# Altium PCB ADAPTONE_PCB_COPY.PcbDoc (part 7 of 11)
Units mil, origin at the board's own origin, x right, y up, seen from the top; angles counter-clockwise.
Board outline 10236.22 x 6701.71 mil, 4 copper layers (Top Layer, GND, Internal Plane 2, Bottom Layer), stack 30.2 mil thick; 1794 components, 935 nets, 4745 pads, 575 vias.
Unrouted connection lines stored in the file: 997.
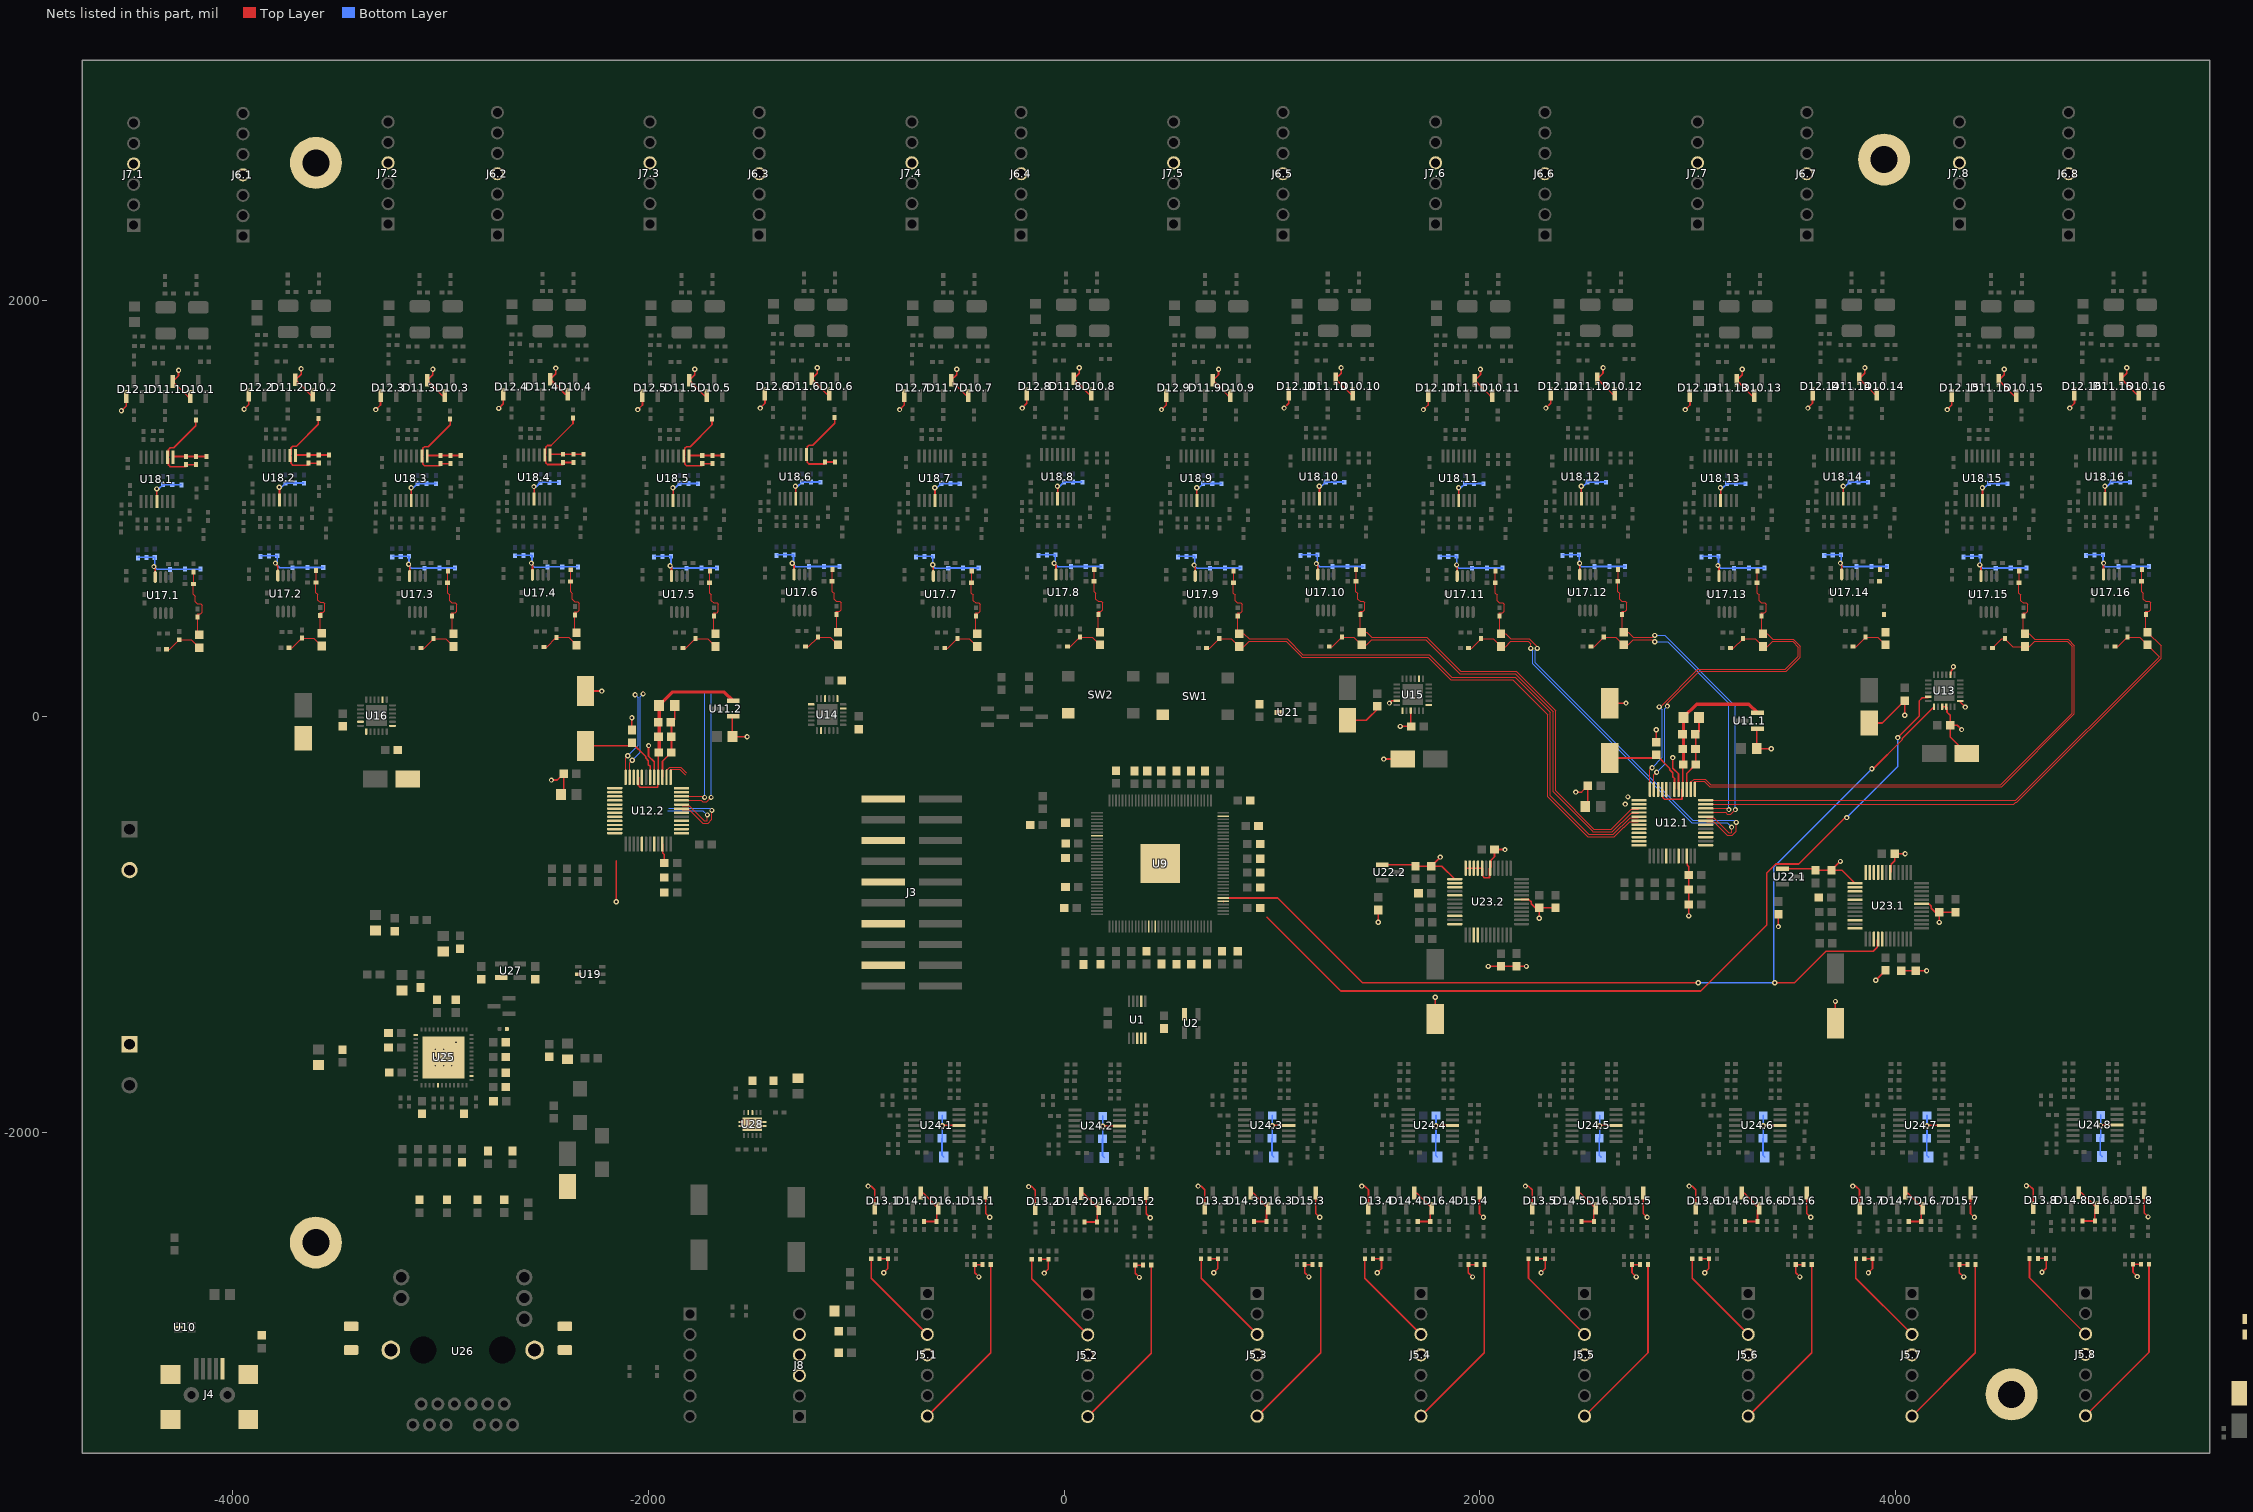
[diagram p9: the nets of this part, all layers, seen from the top]

## Via types
v1: diameter 25, hole 12, Top Layer to Bottom Layer, 566 vias
v2: diameter 19.68, hole 7.87, Top Layer to Bottom Layer, 9 vias

## Nets (pads, with @x,y where several pads share a name; then routed paths per layer and width w, separated by ;. In a path a pad name is that pad's centre, name@x,y a point inside that pad or via, vN(x,y) a via of type N, cw(c..) or ccw(c..) an arc to the next point about the centre after c; other vN are vias at no path point) (continued)
GND: C1.2 C2.2 C3.1 C5.- C6.- C7.- C8.- C9.- C11.2 C12.2 C13.1 C14.2 C15.- C16.2 C17.2 C18.- C20.2 C21.2 C22.1 C25.2 C26.2 C27.1 C28.2 C29.2 C30.1.2 C30.2.2 C31.1.2 C31.2.2 C32.1.2 C32.2.2 C33.1.2 C33.2.2 C34.1.2 C34.2.2 C35.1.- C35.2.- C36.1.2 C36.2.2 C37.1.2 C37.2.2 C38.1.2 C38.2.2 C39.1.2 C39.2.2 C40.1.2 C40.2.2 C41.1.2 C41.2.2 C42.- C43.- C44.- C45.- C46.2 C47.2 C48.2 C49.2 C50.- C51.- C52.- C53.- C54.2 C55.2 C56.2 C57.2 C59.1.2 C59.2.2 C59.3.2 C59.4.2 C59.5.2 C59.6.2 C59.7.2 C59.8.2 C59.9.2 C59.10.2 C59.11.2 C59.12.2 C59.13.2 C59.14.2 C59.15.2 C59.16.2 C60.1.2 C60.2.2 C60.3.2 C60.4.2 C60.5.2 C60.6.2 C60.7.2 C60.8.2 C60.9.2 C60.10.2 C60.11.2 C60.12.2 C60.13.2 C60.14.2 C60.15.2 C60.16.2 C61.1.2 C61.2.2 C61.3.2 C61.4.2 C61.5.2 C61.6.2 C61.7.2 C61.8.2 C61.9.2 C61.10.2 C61.11.2 C61.12.2 C61.13.2 C61.14.2 C61.15.2 C61.16.2 C68.1.2 C68.2.2 C68.3.2 C68.4.2 C68.5.2 C68.6.2 C68.7.2 C68.8.2 C68.9.2 C68.10.2 C68.11.2 C68.12.2 C68.13.2 C68.14.2 C68.15.2 C68.16.2 C69.1.2 C69.2.2 C69.3.2 C69.4.2 C69.5.2 C69.6.2 C69.7.2 C69.8.2 C69.9.2 C69.10.2 C69.11.2 C69.12.2 C69.13.2 C69.14.2 C69.15.2 C69.16.2 C70.1.2 C70.2.2 C70.3.2 C70.4.2 C70.5.2 C70.6.2 C70.7.2 C70.8.2 C70.9.2 C70.10.2 C70.11.2 C70.12.2 C70.13.2 C70.14.2 C70.15.2 C70.16.2 C76.1.2 C76.2.2 C76.3.2 C76.4.2 C76.5.2 C76.6.2 C76.7.2 C76.8.2 C76.9.2 C76.10.2 C76.11.2 C76.12.2 C76.13.2 C76.14.2 C76.15.2 C76.16.2 C77.1.2 C77.2.2 C77.3.2 C77.4.2 C77.5.2 C77.6.2 C77.7.2 C77.8.2 C77.9.2 C77.10.2 C77.11.2 C77.12.2 C77.13.2 C77.14.2 C77.15.2 C77.16.2 C78.1.2 C78.2.2 C78.3.2 C78.4.2 C78.5.2 C78.6.2 C78.7.2 C78.8.2 C78.9.2 C78.10.2 C78.11.2 C78.12.2 C78.13.2 C78.14.2 C78.15.2 C78.16.2 C85.1 C87.2 C88.2 C89.2 C90.- C91.- C93.- C94.- C95.2 C96.2 C97.2 C98.2 C99.2 C100.2 C101.2 C102.2 C103.2 C104.2 C105.2 C106.2 C107.2 C108.2 C109.2 C110.2 C111.2 C112.2 C113.2 C114.2 C115.2 C116.2 C117.2 C118.2 C119.2 C120.2 C121.1.2 C121.2.2 C122.1.2 C122.2.2 C123.1.2 C123.2.2 C124.1.2 C124.2.2 C125.1.2 C125.2.2 C126.1.- C126.2.- C127.1.2 C127.2.2 C128.1.2 C128.2.2 C129.1.2 C129.2.2 C130.1.2 C130.2.2 C131.1.2 C131.2.2 C134.1.2 C134.2.2 C134.3.2 C134.4.2 C134.5.2 C134.6.2 C134.7.2 C134.8.2 C135.1.2 C135.2.2 C135.3.2 C135.4.2 C135.5.2 C135.6.2 C135.7.2 C135.8.2 C136.1.1 C136.2.1 C136.3.1 C136.4.1 C136.5.1 C136.6.1 C136.7.1 C136.8.1 C149.2 C150.2 C151.- C152.2 C153.2 C154.2 C155.2 C156.1 C157.1 C158.1 C159.2 C160.2 C161.2 C162.2 C163.2 C164.2 C165.2 C166.2 C167.2 C168.2 C169.1 C170.1 C171.1 C172.1 C173.1 C174.1 C175.1 C176.2 C177.2 C178.2 C179.2 C180.1 C181.1 D2.K D3.K D4.A D10.1.1 D10.2.1 D10.3.1 D10.4.1 D10.5.1 D10.6.1 D10.7.1 D10.8.1 D10.9.1 D10.10.1 D10.11.1 D10.12.1 D10.13.1 D10.14.1 D10.15.1 D10.16.1 D11.1.1 D11.2.1 D11.3.1 D11.4.1 D11.5.1 D11.6.1 D11.7.1 D11.8.1 D11.9.1 D11.10.1 D11.11.1 D11.12.1 D11.13.1 D11.14.1 D11.15.1 D11.16.1 D12.1.1 D12.2.1 D12.3.1 D12.4.1 D12.5.1 D12.6.1 D12.7.1 D12.8.1 D12.9.1 D12.10.1 D12.11.1 D12.12.1 D12.13.1 D12.14.1 D12.15.1 D12.16.1 D13.1.1 D13.2.1 D13.3.1 D13.4.1 D13.5.1 D13.6.1 D13.7.1 D13.8.1 D14.1.1 D14.2.1 D14.3.1 D14.4.1 D14.5.1 D14.6.1 D14.7.1 D14.8.1 D15.1.1 D15.2.1 D15.3.1 D15.4.1 D15.5.1 D15.6.1 D15.7.1 D15.8.1 D16.1.1 D16.2.1 D16.3.1 D16.4.1 D16.5.1 D16.6.1 D16.7.1 D16.8.1 J1.2 J2.1 J3.4 J3.8 J3.12 J3.16 J3.20 J4.5 J4.MH1 J4.MH2 J4.MH3 J4.MH4 J5.1.4 J5.2.4 J5.3.4 J5.4.4 J5.5.4 J5.6.4 J5.7.4 J5.8.4 J6.1.4 J6.2.4 J6.3.4 J6.4.4 J6.5.4 J6.6.4 J6.7.4 J6.8.4 J7.1.4 J7.2.4 J7.3.4 J7.4.4 J7.5.4 J7.6.4 J7.7.4 J7.8.4 J8.3 J8.4 J8.5 P1.2 P1.6 Q2.S Q3.S Q4.S R8.2 R9.2 R13.2 R14.2 R16.2 R17.1 R27.1 R69.2 R71.2 R72.2 R73.2 R75.2 R83.1.1 R83.2.1 R83.3.1 R83.4.1 R83.5.1 R83.6.1 R83.7.1 R83.8.1 R87.1.1 R87.2.1 R87.3.1 R87.4.1 R87.5.1 R87.6.1 R87.7.1 R87.8.1 R93.1.1 R93.2.1 R93.3.1 R93.4.1 R93.5.1 R93.6.1 R93.7.1 R93.8.1 R97.1.1 R97.2.1 R97.3.1 R97.4.1 R97.5.1 R97.6.1 R97.7.1 R97.8.1 R101.1.1 R101.2.1 R101.3.1 R101.4.1 R101.5.1 R101.6.1 R101.7.1 R101.8.1 R107.1.1 R107.2.1 R107.3.1 R107.4.1 R107.5.1 R107.6.1 R107.7.1 R107.8.1 R118.1 R118.2 R121.1 R121.2 R123.2 R125.2 R126.2 R127.2 R128.1 S1.1 S2.1 S3.1 S4.1 SW1.2 SW2.2 TP5.1 TP5.2 U1.2 U1.8 U2.2 U3.4 U3.9 U4.1 U5.2 U5.4 U7.4 U8.8 U8.9 U8.10 U8.11 U8.15 U9.104 U9.129 U10.2 U11.1.1 U11.2.1 U12.1.3 U12.1.5 U12.1.8 U12.1.10 U12.1.19 U12.1.21 U12.1.22 U12.1.29 U12.1.32 U12.1.34 U12.1.37 U12.1.42 U12.2.3 U12.2.5 U12.2.8 U12.2.10 U12.2.19 U12.2.21 U12.2.22 U12.2.29 U12.2.32 U12.2.34 U12.2.37 U12.2.38 U12.2.42 U13.1 U13.8 U13.21 U13.22 U14.1 U14.8 U14.22 U15.1 U15.8 U15.21 U16.1 U16.8 U17.1.4 U17.2.4 U17.3.4 U17.4.4 U17.5.4 U17.6.4 U17.7.4 U17.8.4 U17.9.4 U17.10.4 U17.11.4 U17.12.4 U17.13.4 U17.14.4 U17.15.4 U17.16.4 U18.1.11 U18.2.11 U18.3.11 U18.4.11 U18.5.11 U18.6.11 U18.7.11 U18.8.11 U18.9.11 U18.10.11 U18.11.11 U18.12.11 U18.13.11 U18.14.11 U18.15.11 U18.16.11 U19.2 U19.PAD U20.4 U20.9 U21.2 U22.1.1 U22.2.1 U23.1.1 U23.1.2 U23.1.3 U23.1.5 U23.1.10 U23.1.12 U23.1.17 U23.1.31 U23.1.42 U23.1.44 U23.1.45 U23.1.46 U23.1.47 U23.1.48 U23.2.1 U23.2.2 U23.2.3 U23.2.5 U23.2.10 U23.2.12 U23.2.31 U23.2.42 U23.2.44 U23.2.45 U23.2.46 U23.2.47 U23.2.48 U24.1.11 U24.2.11 U24.3.11 U24.4.11 U24.5.11 U24.6.11 U24.7.11 U24.8.11 U25.13 U25.29 U25.49 U26.18 U26.19 U27.2 U28.3 U28.4 U28.11 | length 28099.8
  Top Layer w8: v1(-4534.84,1471.64) -4512.24,1494.23 D12.1.1@-4512.24,1539.62 ; v1(-4379,722) -4377.91,722 -4372.41,716.5 U17.1.4@-4372.41,671.33 ; v1(-4365.55,1095.72) -4364.55,1094.72 U18.1.11@-4364.55,1035.36 ; v1(-4260.44,1666.03) -4260.44,1639.45 D11.1.1@-4287.44,1612.45 -4214.61,1539.62 D10.1.1@-4203.56,1539.62 ; v1(-3945.17,1479.11) -3922.57,1501.71 D12.2.1@-3922.57,1547.09 ; v1(-3794,739) -3794,735.24 -3782.74,723.98 U17.2.4@-3782.74,678.81 ; v1(-3775.88,1103.2) -3774.88,1102.2 U18.2.11@-3774.88,1042.83 ; v1(-3670.77,1673.51) -3670.77,1646.92 D11.2.1@-3697.77,1619.93 -3624.93,1547.09 D10.2.1@-3613.89,1547.09 ; v1(-3311.26,1476.77) -3288.66,1499.37 D12.3.1@-3288.66,1544.75 ; v1(-3153.8,733) -3148.83,728.03 U17.3.4@-3148.83,676.47 ; v1(-3141.97,1100.86) -3140.97,1099.86 U18.3.11@-3140.97,1040.49 ; v1(-3036.86,1671.17) -3036.86,1644.59 D11.3.1@-3063.86,1617.59 -2991.02,1544.75 D10.3.1@-2979.98,1544.75 ; v1(-2720.23,1482.36) -2697.63,1504.96 D12.4.1@-2697.63,1550.35 ; v1(-2563,738.86) -2557.8,733.65 U17.4.4@-2557.8,682.06 ; v1(-2550.94,1106.45) -2549.94,1105.45 U18.4.11@-2549.94,1046.08 ; v1(-2466.55,-305) -2438.4,-305 C38.2.2@-2414.78,-281.38 ; v1(-2445.83,1676.76) -2445.83,1650.18 D11.4.1@-2472.83,1623.18 -2399.99,1550.35 D10.4.1@-2388.94,1550.35 ; C37.2.2@-2420.91,-375 -2407.89,-361.98 C38.2.2@-2407.89,-274.49 ; C35.2.-@-2297.82,118 C35.2.-@-2302.71,122.89 v1(-2224.64,122.89) ; v1(-2154.78,-891) -2154.78,-835.95 -2154.78,-763.39 -2154.78,-693.39 ; C36.2.2@-2079.47,-64.49 v1(-2079.47,-5) ; v1(-2051.42,1476.77) -2028.82,1499.37 D12.5.1@-2028.82,1544.75 ; v1(-1999.42,-139) -1999.42,-189.91 -1971.94,-217.39 U12.2.5@-1971.94,-291.96 ; U12.2.34@-1932.57,-612.83 -1930.66,-614.73 -1930.66,-656.12 -1923.21,-663.58 C41.2.2@-1923.21,-703.39 ; U12.2.3@-1932.57,-291.96 -1932.57,-215.22 C34.2.2@-1889.18,-171.83 -1889.18,-29.82 -1873.6,-14.25 C31.2.2@-1873.6,54.06 ; v1(-1896,725.62) -1892.97,725.62 -1888.99,721.64 U17.5.4@-1888.99,676.47 ; v1(-1882.13,1100.86) -1881.13,1099.86 U18.5.11@-1881.13,1040.49 ; v1(-1777.02,1671.17) -1777.02,1644.59 D11.5.1@-1804.02,1617.59 -1731.18,1544.75 D10.5.1@-1720.13,1544.75 ; U11.2.1@-1591.91,0.87 -1596.01,-3.22 C30.2.2@-1596.01,-96.37 v1@-1517.28,-96.37 ; v1(-1461.75,1484.25) -1439.15,1506.85 D12.6.1@-1439.15,1552.23 ; v1(-1308,737.8) -1299.32,729.11 U17.6.4@-1299.32,683.95 ; v1(-1292.46,1108.33) -1291.46,1107.33 U18.6.11@-1291.46,1047.97 ; v1(-1187.35,1678.65) -1187.35,1652.06 D11.6.1@-1214.34,1625.07 -1141.51,1552.23 D10.6.1@-1130.46,1552.23 ; v1(-942.98,-2258.46) -928.08,-2258.46 -910.79,-2275.74 D13.1.1@-910.79,-2364.88 ; R83.1.1@-888.08,-2608.15 R87.1.1@-848.08,-2608.15 -848.08,-2655.04 v1(-868.08,-2675.03) ; v1(-791.57,1476.77) -768.98,1499.37 D12.7.1@-768.98,1544.75 ; D14.1.1@-690.68,-2292.04 -678.31,-2292.04 D16.1.1@-605.48,-2364.88 -613.69,-2373.09 R107.1.1@-613.69,-2428.78 R93.1.1@-673.82,-2428.78 ; v1(-632.42,731) -629.14,727.73 U17.7.4@-629.14,676.47 ; v1(-622.29,1100.86) -621.29,1099.86 U18.7.11@-621.29,1040.49 ; v1(-586.08,-1968.46) -584.08,-1966.46 U24.1.11@-506.72,-1966.46 ; v1(-517.18,1671.17) -517.18,1644.59 D11.7.1@-544.17,1617.59 -471.34,1544.75 D10.7.1@-460.29,1544.75 ; v1(-409.69,-2695.61) -430.19,-2675.11 R101.1.1@-430.19,-2636.55 R97.1.1@-391.92,-2636.55 ; D15.1.1@-376.45,-2292.04 -376.45,-2390.09 v1(-358.08,-2408.46) ; v1(-201.9,1484.25) -179.3,1506.85 D12.8.1@-179.3,1552.23 ; v1(-170.9,-2260.54) -156,-2260.54 -138.72,-2277.83 D13.2.1@-138.72,-2366.96 ; R83.2.1@-116,-2610.23 R87.2.1@-76,-2610.23 -76,-2657.12 v1(-96,-2677.12) ; v1(-48.36,738) -39.47,729.11 U17.8.4@-39.47,683.95 ; v1(-32.62,1108.33) -31.62,1107.33 U18.8.11@-31.62,1047.97 ; v1(72.5,1678.65) 72.5,1652.06 D11.8.1@45.5,1625.07 118.33,1552.23 D10.8.1@129.38,1552.23 ; D14.2.1@81.4,-2294.13 93.76,-2294.13 D16.2.1@166.6,-2366.96 158.38,-2375.17 R107.2.1@158.38,-2430.86 R93.2.1@98.26,-2430.86 ; v1(186,-1970.54) 188,-1968.54 U24.2.11@265.36,-1968.54 ; v1(362.38,-2697.69) 341.89,-2677.2 R101.2.1@341.89,-2638.64 R97.2.1@380.16,-2638.64 ; D15.2.1@395.63,-2294.13 395.63,-2392.17 v1(414,-2410.54) ; v1(468.27,1476.77) 490.87,1499.37 D12.9.1@490.87,1544.75 ; v1(625,729) 630.7,723.3 U17.9.4@630.7,676.47 ; v1(637.56,1100.86) 638.56,1099.86 U18.9.11@638.56,1040.49 ; v1(644.28,-2258.46) 659.18,-2258.46 676.46,-2275.74 D13.3.1@676.46,-2364.88 ; R83.3.1@699.18,-2608.15 R87.3.1@739.18,-2608.15 739.18,-2655.04 v1(719.18,-2675.03) ; v1(742.67,1671.17) 742.67,1644.59 D11.9.1@715.67,1617.59 788.5,1544.75 D10.9.1@799.55,1544.75 ; D14.3.1@896.58,-2292.04 908.94,-2292.04 D16.3.1@981.77,-2364.88 973.56,-2373.09 R107.3.1@973.56,-2428.78 R93.3.1@913.44,-2428.78 ; v1(1001.18,-1968.46) 1003.18,-1966.46 U24.3.11@1080.54,-1966.46 ; v1(1057.94,1484.25) 1080.54,1506.85 D12.10.1@1080.54,1552.23 ; v1(1177.56,-2695.61) 1157.06,-2675.11 R101.3.1@1157.06,-2636.55 R97.3.1@1195.33,-2636.55 ; D15.3.1@1210.81,-2292.04 1210.81,-2390.09 v1(1229.18,-2408.46) ; v1(1213.48,736) 1220.37,729.11 U17.10.4@1220.37,683.95 ; v1(1227.23,1108.33) 1228.23,1107.33 U18.10.11@1228.23,1047.97 ; v1(1332.34,1678.65) 1332.34,1652.06 D11.10.1@1305.34,1625.07 1378.18,1552.23 D10.10.1@1389.22,1552.23 ; C50.-@1363,-17.74 1453.77,-17.74 C54.2@1517,45.49 ; v1(1431.68,-2258.46) 1446.58,-2258.46 1463.86,-2275.74 D13.4.1@1463.86,-2364.88 ; R83.4.1@1486.58,-2608.15 R87.4.1@1526.58,-2608.15 1526.58,-2655.04 v1(1506.58,-2675.03) ; v1(1511,-989.54) C123.2.2@1511,-930.05 ; U22.2.1@1530.47,-712.13 1682.84,-712.13 C124.2.2@1689.73,-719.02 C125.2.2@1765.97,-719.02 ; v1(1537.21,-204.21) C51.-@1627.79,-204.21 ; v1(1617.06,-46.87) C55.2@1669.49,-46.87 1667.16,-44.54 U15.21@1667.16,29.03 ; D14.4.1@1683.98,-2292.04 1696.34,-2292.04 D16.4.1@1769.18,-2364.88 1760.96,-2373.09 R107.4.1@1760.96,-2428.78 R93.4.1@1700.84,-2428.78 ; v1(1728.11,1476.77) 1750.71,1499.37 D12.11.1@1750.71,1544.75 ; C126.2.-@1785.2,-1455.01 v1(1785.2,-1349.54) ; v1(1788.58,-1968.46) 1790.58,-1966.46 U24.4.11@1867.94,-1966.46 ; v1(1809.2,-675.79) C125.2.2@1765.97,-719.02 ; U23.2.1@1879.3,-781.27 1817.05,-719.02 C125.2.2@1765.97,-719.02 ; v1(1888,729.53) 1890.54,726.99 U17.11.4@1890.54,676.47 ; v1(1897.4,1100.86) 1898.4,1099.86 U18.11.11@1898.4,1040.49 ; U23.2.48@1931.46,-729.1 U23.2.47@1951.15,-729.1 U23.2.46@1970.83,-729.1 U23.2.45@1990.52,-729.1 U23.2.44@2010.2,-729.1 2012.11,-729.1 2012.11,-766.06 2021.57,-775.52 2045.79,-775.52 2045.79,-729.1 U23.2.42@2049.57,-729.1 2053.35,-725.32 2053.35,-690.27 2070.24,-673.38 C127.2.2@2070.24,-639.54 v1(2120.71,-639.54) ; v1(1964.96,-2695.61) 1944.47,-2675.11 R101.4.1@1944.47,-2636.55 R97.4.1@1982.74,-2636.55 ; D15.4.1@1998.21,-2292.04 1998.21,-2390.09 v1(2016.58,-2408.46) ; v1(2002.51,1671.17) 2002.51,1644.59 D11.11.1@1975.51,1617.59 2048.35,1544.75 D10.11.1@2059.39,1544.75 ; v1(2040,-1201.61) C128.2.2@2101.89,-1201.61 v1(2223.92,-1201.61) ; U23.2.31@2200.16,-879.69 2235.21,-879.69 2246.58,-891.06 2246.58,-900.91 2265.72,-920.05 C121.2.2@2285.2,-920.05 ; v1(2219.08,-2258.46) 2233.98,-2258.46 2251.26,-2275.74 D13.5.1@2251.26,-2364.88 ; R83.5.1@2273.98,-2608.15 R87.5.1@2313.98,-2608.15 2313.98,-2655.04 v1(2293.98,-2675.03) ; v1(2285.2,-969.54) C121.2.2@2285.2,-920.05 ; v1(2317.78,1484.25) 2340.38,1506.85 D12.12.1@2340.38,1552.23 ; C122.2.2@2362.93,-920.05 C121.2.2@2285.2,-920.05 ; v1(2460.87,-363) 2489.02,-363 C38.1.2@2512.64,-339.38 ; D14.5.1@2471.38,-2292.04 2483.74,-2292.04 D16.5.1@2556.58,-2364.88 2548.36,-2373.09 R107.5.1@2548.36,-2428.78 R93.5.1@2488.24,-2428.78 ; v1(2479.33,737.64) 2480.21,736.75 U17.12.4@2480.21,683.95 ; v1(2487.07,1108.33) 2488.07,1107.33 U18.12.11@2488.07,1047.97 ; C37.1.2@2506.51,-433 2519.53,-419.98 C38.1.2@2519.53,-332.49 ; v1(2575.98,-1968.46) 2577.98,-1966.46 U24.5.11@2655.34,-1966.46 ; v1(2592.18,1678.65) 2592.18,1652.06 D11.12.1@2565.18,1625.07 2638.02,1552.23 D10.12.1@2649.07,1552.23 ; C35.1.-@2629.6,60 C35.1.-@2624.71,64.89 v1(2702.78,64.89) ; v1(2752.36,-2695.61) 2731.87,-2675.11 R101.5.1@2731.87,-2636.55 R97.5.1@2770.14,-2636.55 ; D15.5.1@2785.61,-2292.04 2785.61,-2390.09 v1(2803.98,-2408.46) ; C36.1.2@2847.96,-122.49 v1(2847.96,-63) ; v1(2928,-197) 2928,-247.91 2955.48,-275.39 U12.1.5@2955.48,-349.96 ; v1(2987.95,1476.77) 3010.55,1499.37 D12.13.1@3010.55,1544.75 ; U12.1.34@2994.85,-670.83 2996.76,-672.73 2996.76,-714.12 3004.22,-721.58 C41.1.2@3004.22,-761.39 C40.1.2@3004.22,-831.39 C39.1.2@3004.22,-903.95 v1(3004.22,-959) ; U12.1.3@2994.85,-349.96 2994.85,-273.22 C34.1.2@3038.24,-229.83 3038.24,-87.82 3053.82,-72.25 C31.1.2@3053.82,-3.94 ; v1(3006.48,-2258.46) 3021.38,-2258.46 3038.66,-2275.74 D13.6.1@3038.66,-2364.88 ; R83.6.1@3061.38,-2608.15 R87.6.1@3101.38,-2608.15 3101.38,-2655.04 v1(3081.38,-2675.03) ; v1(3145.02,727) 3150.38,721.64 U17.13.4@3150.38,676.47 ; v1(3157.24,1100.86) 3158.24,1099.86 U18.13.11@3158.24,1040.49 ; D14.6.1@3258.78,-2292.04 3271.14,-2292.04 D16.6.1@3343.98,-2364.88 3335.77,-2373.09 R107.6.1@3335.77,-2428.78 R93.6.1@3275.64,-2428.78 ; v1(3262.35,1671.17) 3262.35,1644.59 D11.13.1@3235.35,1617.59 3308.19,1544.75 D10.13.1@3319.24,1544.75 ; U11.1.1@3335.51,-57.13 3331.41,-61.22 C30.1.2@3331.41,-154.37 v1@3410.14,-154.37 ; v1(3363.38,-1968.46) 3365.38,-1966.46 U24.6.11@3442.74,-1966.46 ; v1(3435.79,-1010) C123.1.2@3435.79,-950.51 ; U22.1.1@3455.27,-732.6 3607.64,-732.6 C124.1.2@3614.53,-739.49 C125.1.2@3690.77,-739.49 ; v1(3539.77,-2695.61) 3519.27,-2675.11 R101.6.1@3519.27,-2636.55 R97.6.1@3557.54,-2636.55 ; D15.6.1@3573.01,-2292.04 3573.01,-2390.09 v1(3591.38,-2408.46) ; v1(3577.62,1484.25) 3600.22,1506.85 D12.14.1@3600.22,1552.23 ; C126.1.-@3710,-1475.47 v1(3710,-1370) ; v1(3734,-696.25) C125.1.2@3690.77,-739.49 ; v1(3734,739) 3740.05,732.95 U17.14.4@3740.05,683.95 ; v1(3746.91,1108.33) 3747.91,1107.33 U18.14.11@3747.91,1047.97 ; v1(3793.88,-2258.46) 3808.78,-2258.46 3826.07,-2275.74 D13.7.1@3826.07,-2364.88 ; U23.1.1@3804.09,-801.73 3741.85,-739.49 C125.1.2@3690.77,-739.49 ; R83.7.1@3848.78,-2608.15 R87.7.1@3888.78,-2608.15 3888.78,-2655.04 v1(3868.78,-2675.03) ; v1(3852.02,1678.65) 3852.02,1652.06 D11.14.1@3825.03,1625.07 3897.86,1552.23 D10.14.1@3908.91,1552.23 ; C42.-@3873.34,-30.74 3935.35,-30.74 C46.2@4043.34,77.24 v1(4043.34,6.2) ; v1(3903.91,-1268.47) C130.1.2@3951.87,-1220.51 ; U23.1.42@3974.37,-749.57 3978.15,-745.79 3978.15,-710.74 3995.04,-693.85 C127.1.2@3995.04,-660 v1(4045.5,-660) ; C128.1.2@4026.69,-1222.07 C129.1.2@4096.28,-1222.07 v1(4148.71,-1222.07) ; D14.7.1@4046.18,-2292.04 4058.55,-2292.04 D16.7.1@4131.38,-2364.88 4123.17,-2373.09 R107.7.1@4123.17,-2428.78 R93.7.1@4063.04,-2428.78 ; U23.1.31@4124.96,-900.16 4160.01,-900.16 4171.38,-911.52 4171.38,-921.38 4190.51,-940.51 C121.1.2@4210,-940.51 ; v1(4150.79,-1968.46) 4152.79,-1966.46 U24.7.11@4230.14,-1966.46 ; v1(4210,-990) C121.1.2@4210,-940.51 ; U13.21@4223.95,48 U13.22@4243.64,48 4247.2,44.43 4247.2,21.06 4262.06,6.2 C47.2@4262.06,-41.57 ; v1(4247.8,1476.77) 4270.39,1499.37 D12.15.1@4270.39,1544.75 ; U13.8@4263.32,201.94 4266.89,205.5 4266.89,220.94 4278.08,232.13 v1(4278.08,240) ; C122.1.2@4287.72,-940.51 C121.1.2@4210,-940.51 ; U13.1@4310.76,75.76 4310.76,70.41 v1(4334.99,46.18) ; v1(4316.79,-62.09) 4296.27,-41.57 C47.2@4262.06,-41.57 ; v1(4327.17,-2695.61) 4306.67,-2675.11 R101.7.1@4306.67,-2636.55 R97.7.1@4344.94,-2636.55 ; C43.-@4342.06,-178.03 4262.06,-98.03 C47.2@4262.06,-41.57 ; D15.7.1@4360.41,-2292.04 4360.41,-2390.09 v1(4378.78,-2408.46) ; v1(4405,729.53) 4410.23,724.3 U17.15.4@4410.23,676.47 ; v1(4417.08,1100.86) 4418.08,1099.86 U18.15.11@4418.08,1040.49 ; v1(4522.19,1671.17) 4522.19,1644.59 D11.15.1@4495.2,1617.59 4568.03,1544.75 D10.15.1@4579.08,1544.75 ; v1(4629.1,-2256.38) 4644,-2256.38 4661.28,-2273.66 D13.8.1@4661.28,-2362.8 ; R83.8.1@4684,-2606.06 R87.8.1@4724,-2606.06 4724,-2652.95 v1(4704,-2672.95) ; v1(4837.47,1484.25) 4860.07,1506.85 D12.16.1@4860.07,1552.23 ; D14.8.1@4881.4,-2289.96 4893.76,-2289.96 D16.8.1@4966.6,-2362.8 4958.38,-2371.01 R107.8.1@4958.38,-2426.69 R93.8.1@4898.26,-2426.69 ; v1(4986,-1966.38) 4988,-1964.38 U24.8.11@5065.36,-1964.38 ; U17.16.4@4999.9,683.95 4999.9,738.9 v1(5000,739) ; v1(5006.75,1108.33) 5007.75,1107.33 U18.16.11@5007.75,1047.97 ; v1(5111.87,1678.65) 5111.87,1652.06 D11.16.1@5084.87,1625.07 5157.7,1552.23 D10.16.1@5168.75,1552.23 ; v1(5162.38,-2693.53) 5141.89,-2673.03 R101.8.1@5141.89,-2634.47 R97.8.1@5180.16,-2634.47 ; D15.8.1@5195.63,-2289.96 5195.63,-2388.01 v1(5214,-2406.38)
  Bottom Layer w8: C76.1.2@-4453.02,766.23 C78.1.2@-4375,766.23 -4375,719.91 v1@-4377.09,722 ; v1(-4379,722) v1@-4377.09,722 ; v1(-4365.55,1095.72) -4354.87,1095.72 C61.1.2@-4334.55,1116.03 C60.1.2@-4290.55,1116.03 C59.1.2@-4247.55,1116.03 ; C70.1.2@-4301,708.66 -4363.75,708.66 v1@-4377.09,722 ; C70.1.2@-4300.06,709.6 C68.1.2@-4229,709.6 C69.1.2@-4154,709.6 ; C76.2.2@-3863.35,773.7 C78.2.2@-3785.33,773.7 -3785.33,727.39 v1@-3794,736.06 ; v1(-3794,739) v1@-3794,736.06 ; v1(-3775.88,1103.2) -3765.2,1103.2 C61.2.2@-3744.88,1123.51 C60.2.2@-3700.88,1123.51 C59.2.2@-3657.88,1123.51 ; C70.2.2@-3711.33,716.14 -3774.08,716.14 v1@-3794,736.06 ; C70.2.2@-3710.39,717.07 C68.2.2@-3639.33,717.07 C69.2.2@-3564.33,717.07 ; C76.3.2@-3229.44,771.36 C78.3.2@-3151.42,771.36 -3151.42,725.05 -3146.86,729.61 -3150.26,733 v1(-3153.8,733) -3153.8,727.43 -3140.17,713.8 C70.3.2@-3077.42,713.8 ; v1(-3141.97,1100.86) -3131.29,1100.86 C61.3.2@-3110.97,1121.17 C60.3.2@-3066.97,1121.17 C59.3.2@-3023.97,1121.17 ; C70.3.2@-3076.48,714.73 C68.3.2@-3005.42,714.73 C69.3.2@-2930.42,714.73 ; C76.4.2@-2638.41,776.95 C78.4.2@-2560.39,776.95 -2560.39,730.64 v1@-2563,733.25 ; v1(-2563,738.86) v1@-2563,733.25 ; v1(-2550.94,1106.45) -2540.26,1106.45 C61.4.2@-2519.94,1126.76 C60.4.2@-2475.94,1126.76 C59.4.2@-2432.94,1126.76 ; C70.4.2@-2486.39,719.39 -2549.13,719.39 v1@-2563,733.25 ; C70.4.2@-2485.45,720.33 C68.4.2@-2414.39,720.33 C69.4.2@-2339.39,720.33 ; C76.5.2@-1969.6,771.36 C78.5.2@-1891.58,771.36 -1891.58,725.05 v1@-1892.15,725.62 ; v1(-1896,725.62) v1@-1892.15,725.62 ; v1(-1882.13,1100.86) -1871.44,1100.86 C61.5.2@-1851.13,1121.17 C60.5.2@-1807.13,1121.17 C59.5.2@-1764.13,1121.17 ; C70.5.2@-1817.58,713.8 -1880.32,713.8 v1@-1892.15,725.62 ; C70.5.2@-1816.64,714.73 C68.5.2@-1745.58,714.73 C69.5.2@-1670.58,714.73 ; C76.6.2@-1379.93,778.84 C78.6.2@-1301.9,778.84 -1301.9,732.53 v1@-1307.18,737.8 ; v1(-1308,737.8) v1@-1307.18,737.8 ; v1(-1292.46,1108.33) -1281.77,1108.33 C61.6.2@-1261.46,1128.65 C60.6.2@-1217.46,1128.65 C59.6.2@-1174.46,1128.65 ; C70.6.2@-1227.9,721.27 -1290.65,721.27 v1@-1307.18,737.8 ; C70.6.2@-1226.97,722.21 C68.6.2@-1155.9,722.21 C69.6.2@-1080.9,722.21 ; C76.7.2@-709.76,771.36 C78.7.2@-631.73,771.36 -631.73,725.05 v1@-632.42,725.73 ; v1(-632.42,731) v1@-632.42,725.73 ; v1(-622.29,1100.86) -611.6,1100.86 C61.7.2@-591.29,1121.17 C60.7.2@-547.29,1121.17 C59.7.2@-504.29,1121.17 ; C136.1.1@-586.08,-1918.46 v1(-586.08,-1968.46) -586.08,-2026.97 C135.1.2@-587.57,-2028.46 -587.57,-2110.08 C134.1.2@-579.19,-2118.46 ; C70.7.2@-557.73,713.8 -620.48,713.8 v1@-632.42,725.73 ; C70.7.2@-556.8,714.73 C68.7.2@-485.73,714.73 C69.7.2@-410.73,714.73 ; C76.8.2@-120.09,778.84 C78.8.2@-42.06,778.84 -42.06,732.53 v1@-47.54,738 ; v1(-48.36,738) v1@-47.54,738 ; v1(-32.62,1108.33) -21.93,1108.33 C61.8.2@-1.62,1128.65 C60.8.2@42.38,1128.65 C59.8.2@85.38,1128.65 ; C70.8.2@31.94,721.27 -30.81,721.27 v1@-47.54,738 ; C70.8.2@32.88,722.21 C68.8.2@103.94,722.21 C69.8.2@178.94,722.21 ; C136.2.1@186,-1920.54 v1(186,-1970.54) 186,-2029.05 C135.2.2@184.51,-2030.54 184.51,-2112.16 C134.2.2@192.89,-2120.54 ; C76.9.2@550.08,771.36 C78.9.2@628.11,771.36 628.11,725.05 v1@625,728.16 ; v1(625,729) v1@625,728.16 ; v1(637.56,1100.86) 648.24,1100.86 C61.9.2@668.56,1121.17 C60.9.2@712.56,1121.17 C59.9.2@755.56,1121.17 ; C70.9.2@702.11,713.8 639.36,713.8 v1@625,728.16 ; C70.9.2@703.05,714.73 C68.9.2@774.11,714.73 C69.9.2@849.11,714.73 ; C136.3.1@1001.18,-1918.46 v1(1001.18,-1968.46) 1001.18,-2026.97 C135.3.2@999.69,-2028.46 999.69,-2110.08 C134.3.2@1008.07,-2118.46 ; C76.10.2@1139.76,778.84 C78.10.2@1217.78,778.84 1217.78,732.53 v1@1214.31,736 ; v1(1213.48,736) v1@1214.31,736 ; v1(1227.23,1108.33) 1237.91,1108.33 C61.10.2@1258.23,1128.65 C60.10.2@1302.23,1128.65 C59.10.2@1345.23,1128.65 ; C70.10.2@1291.78,721.27 1229.03,721.27 v1@1214.31,736 ; C70.10.2@1292.72,722.21 C68.10.2@1363.78,722.21 C69.10.2@1438.78,722.21 ; C136.4.1@1788.58,-1918.46 v1(1788.58,-1968.46) 1788.58,-2026.97 C135.4.2@1787.09,-2028.46 1787.09,-2110.08 C134.4.2@1795.47,-2118.46 ; v1(1809.2,-675.79) v1@1809.2,-669.54 ; C76.11.2@1809.93,771.36 C78.11.2@1887.95,771.36 1887.95,725.05 1888,725.1 v1(1888,729.53) 1888,725 1899.2,713.8 C70.11.2@1961.95,713.8 ; v1(1897.4,1100.86) 1908.08,1100.86 C61.11.2@1928.4,1121.17 C60.11.2@1972.4,1121.17 C59.11.2@2015.4,1121.17 ; C70.11.2@1962.89,714.73 C68.11.2@2033.95,714.73 C69.11.2@2108.95,714.73 ; C76.12.2@2399.6,778.84 C78.12.2@2477.62,778.84 2477.62,732.53 2479.33,734.23 v1(2479.33,737.64) 2479.33,730.82 2488.88,721.27 C70.12.2@2551.62,721.27 ; v1(2487.07,1108.33) 2497.75,1108.33 C61.12.2@2518.07,1128.65 C60.12.2@2562.07,1128.65 C59.12.2@2605.07,1128.65 ; C70.12.2@2552.56,722.21 C68.12.2@2623.62,722.21 C69.12.2@2698.62,722.21 ; C136.5.1@2575.98,-1918.46 v1(2575.98,-1968.46) 2575.98,-2026.97 C135.5.2@2574.49,-2028.46 2574.49,-2110.08 C134.5.2@2582.87,-2118.46 ; C76.13.2@3069.77,771.36 C78.13.2@3147.79,771.36 3147.79,725.05 v1@3145.84,727 ; v1(3145.02,727) v1@3145.84,727 ; v1(3157.24,1100.86) 3167.92,1100.86 C61.13.2@3188.24,1121.17 C60.13.2@3232.24,1121.17 C59.13.2@3275.24,1121.17 ; C70.13.2@3221.79,713.8 3159.05,713.8 v1@3145.84,727 ; C70.13.2@3222.73,714.73 C68.13.2@3293.79,714.73 C69.13.2@3368.79,714.73 ; C136.6.1@3363.38,-1918.46 v1(3363.38,-1968.46) 3363.38,-2026.97 C135.6.2@3361.89,-2028.46 3361.89,-2110.08 C134.6.2@3370.27,-2118.46 ; C76.14.2@3659.44,778.84 C78.14.2@3737.47,778.84 3737.47,732.53 v1@3734,735.99 ; v1(3734,-696.25) v1@3734,-690 ; v1(3734,739) v1@3734,735.99 ; v1(3746.91,1108.33) 3757.6,1108.33 C61.14.2@3777.91,1128.65 C60.14.2@3821.91,1128.65 C59.14.2@3864.91,1128.65 ; C70.14.2@3811.47,721.27 3748.72,721.27 v1@3734,735.99 ; C70.14.2@3812.4,722.21 C68.14.2@3883.47,722.21 C69.14.2@3958.47,722.21 ; v1@3903.91,-1270 v1(3903.91,-1268.47) ; C136.7.1@4150.79,-1918.46 v1(4150.79,-1968.46) 4150.79,-2026.97 C135.7.2@4149.29,-2028.46 4149.29,-2110.08 C134.7.2@4157.67,-2118.46 ; C76.15.2@4329.61,771.36 C78.15.2@4407.64,771.36 4407.64,725.05 v1@4405,727.69 ; v1(4405,729.53) v1@4405,727.69 ; v1(4417.08,1100.86) 4427.77,1100.86 C61.15.2@4448.08,1121.17 C60.15.2@4492.08,1121.17 C59.15.2@4535.08,1121.17 ; C70.15.2@4481.64,713.8 4418.89,713.8 v1@4405,727.69 ; C70.15.2@4482.57,714.73 C68.15.2@4553.64,714.73 C69.15.2@4628.64,714.73 ; C76.16.2@4919.28,778.84 C78.16.2@4997.31,778.84 4997.31,732.53 5000,735.22 v1(5000,739) 5000,729.83 5008.56,721.27 C70.16.2@5071.31,721.27 ; C136.8.1@4986,-1916.38 v1(4986,-1966.38) 4986,-2024.89 C135.8.2@4984.51,-2026.38 4984.51,-2108 C134.8.2@4992.89,-2116.38 ; v1(5006.75,1108.33) 5017.44,1108.33 C61.16.2@5037.75,1128.65 C60.16.2@5081.75,1128.65 C59.16.2@5124.75,1128.65 ; C70.16.2@5072.25,722.21 C68.16.2@5143.31,722.21 C69.16.2@5218.31,722.21